# Altium PCB FMC_ADC_250M_16B_4ch.PcbDoc (part 2 of 8) (continued)
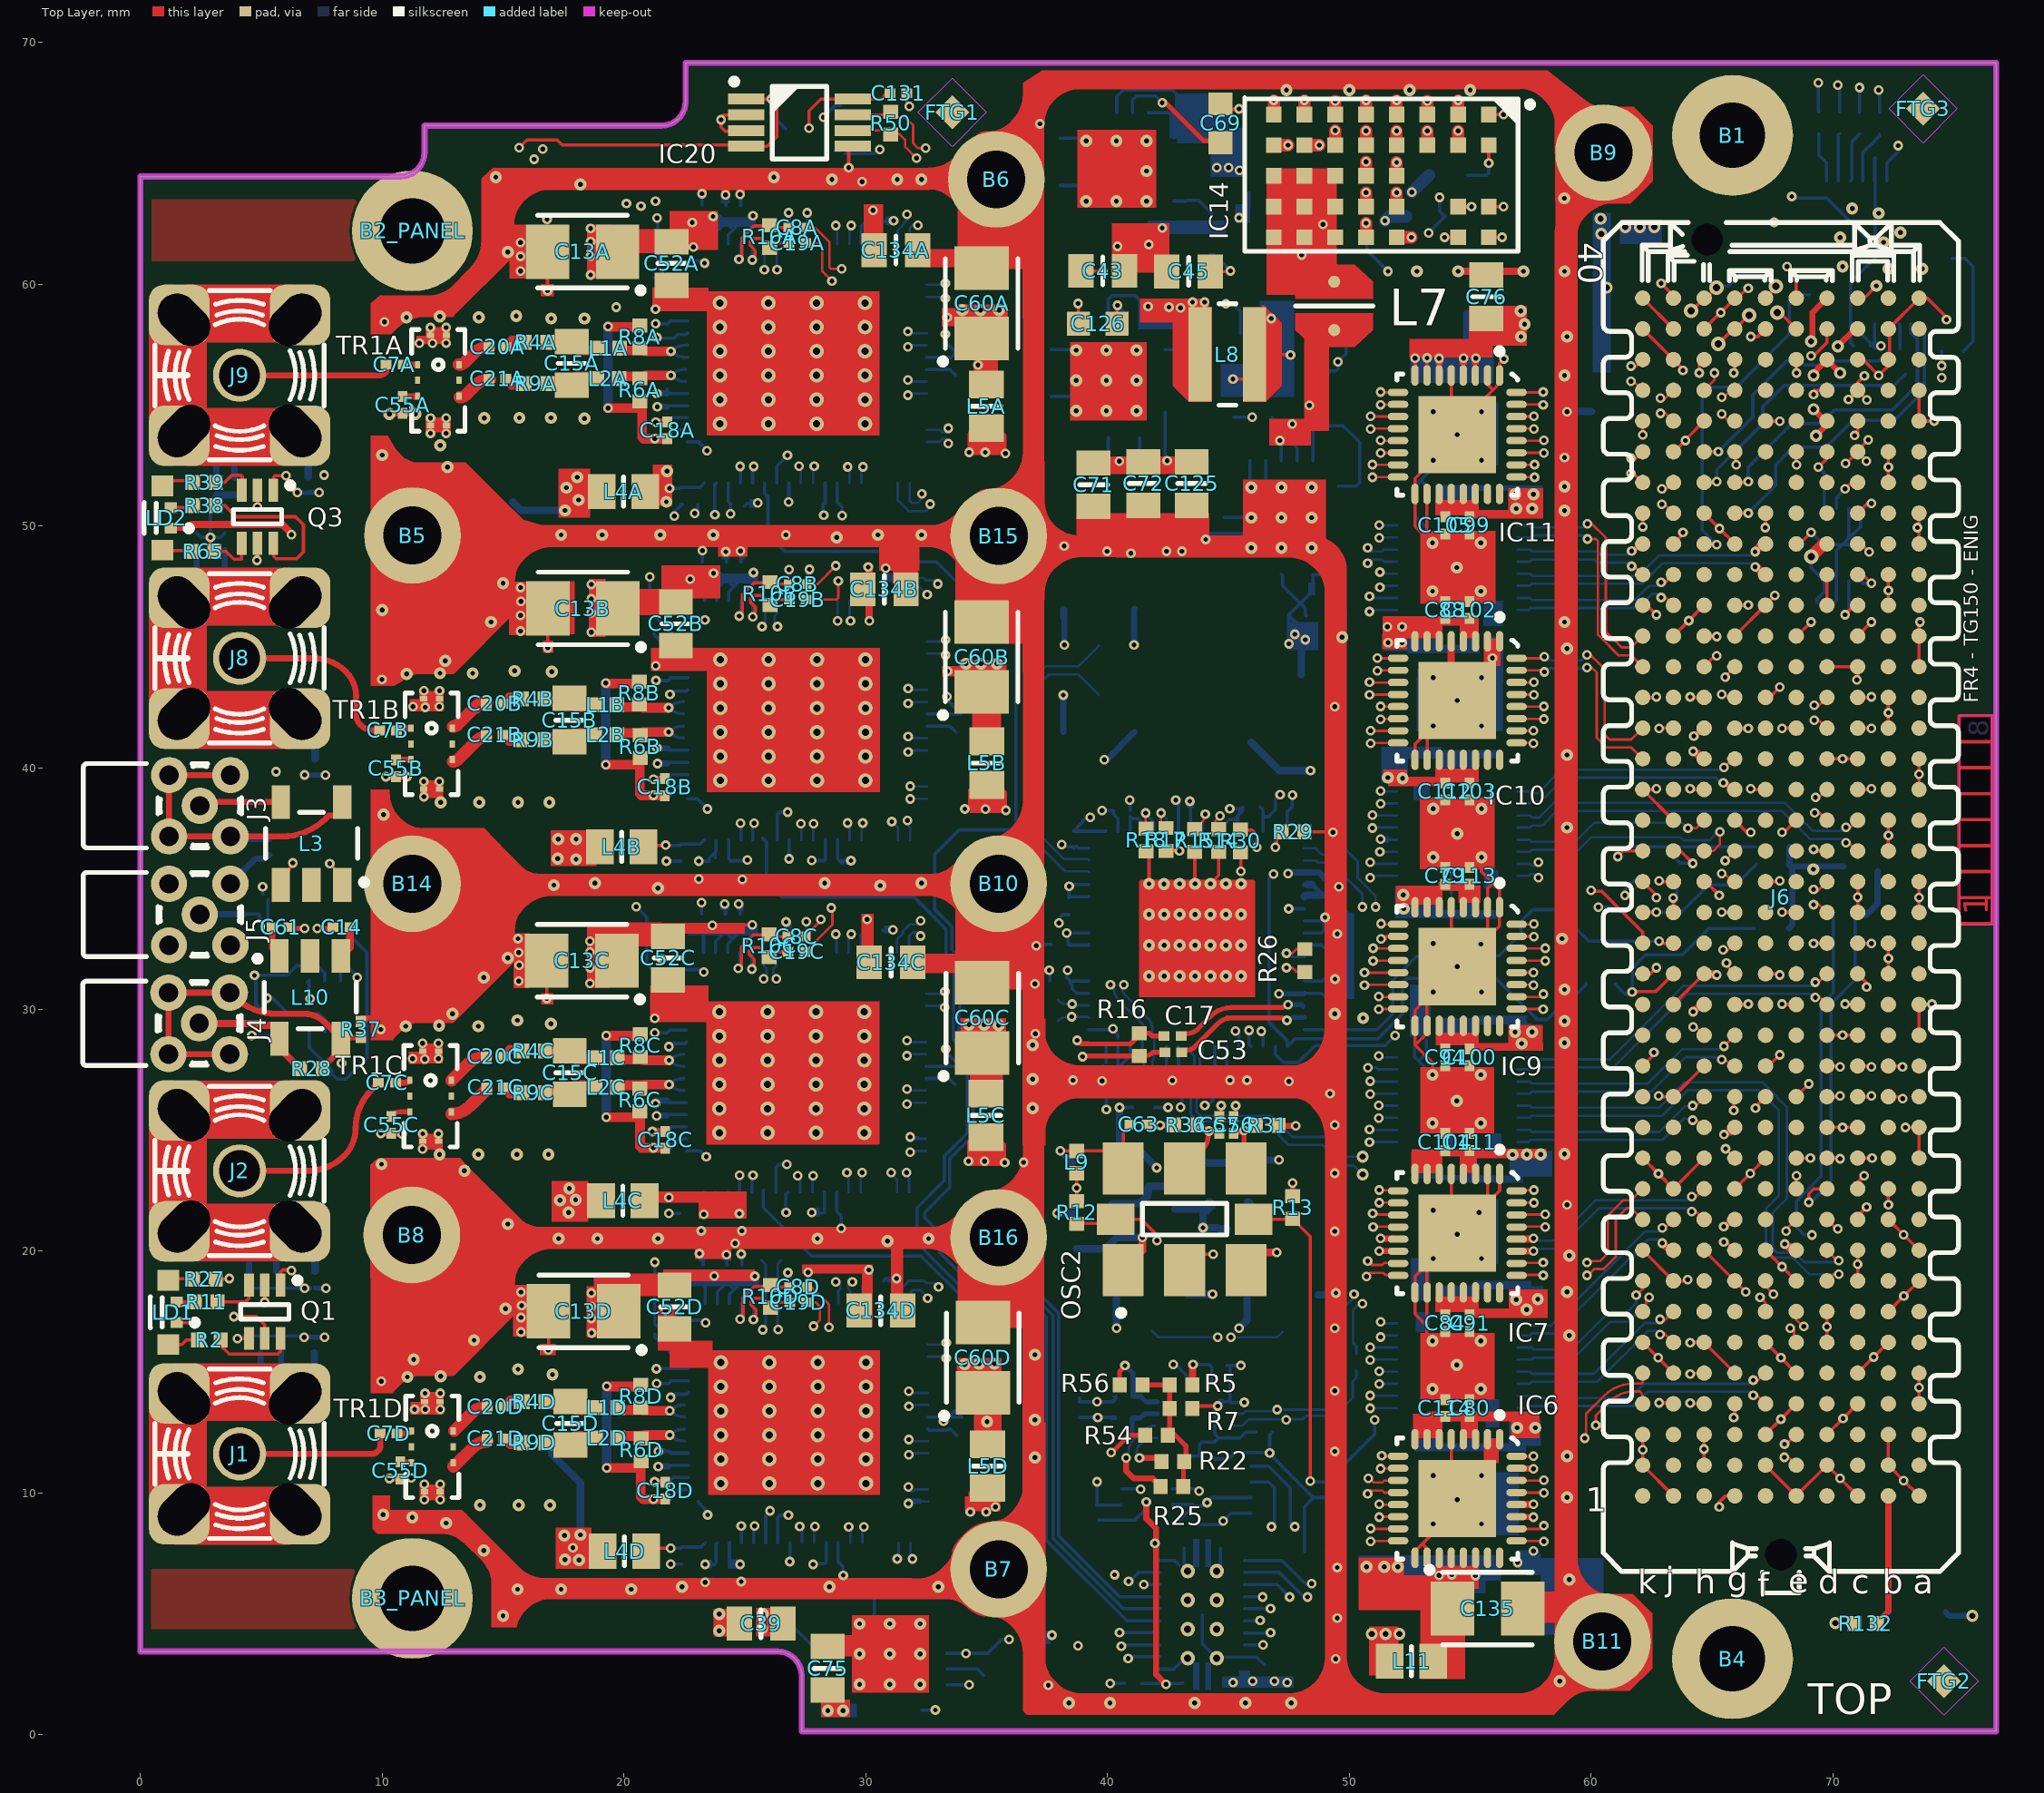
[diagram p0: Top Layer view]
## Part data (continued)
L4A L4B L4C L4D L5A L5B L5C L5D L6 L11: library part IND0805_MURATA_BLM21PG221SN1D, "Inductor", Case=0805, Manufacturer=MURATA, Manufacturer Part Number=BLM21PG221SN1D, Power=2A, Resistance=0.05R, Tolerance=±25%, Author="CERN DEM JLC", ComponentHeight=1.05mm, Component Type=Standard, CreateDate=25/01/2010, HelpURL=\\cern.ch\dfs\Applications\Altium\Datasheets\IND0402_MURATA_BLM21P.pdf, LatestRevisionDate=25/01/2010, Mounted=Yes, Part Description="SMD EMIFIL Suppression Chip Ferrite Bead", Part Number=IND0805_MURATA_BLM21PG221SN1D, Pin Count=2, Sense=No, SMD=Yes, Socket=No, Status=None, Table="Inductors SMD"
L7: library part IND_2.2UH_30%_PANASONIC_ELLVGG2R2N, "Inductor With Core", Manufacturer=PANASONIC, Manufacturer Part Number=ELLVGG2R2N, Power=1.4A, Resistance=0.087R, Tolerance=±30%, Author="LNLS DIG GBMB", ComponentHeight=1.5mm, Component Type=Standard, CreateDate=31/05/2016, HelpURL=\\cern.ch\dfs\Applications\Altium\Datasheets\IND_PANASONIC_ELLVGG.pdf, LatestRevisionDate=31/05/2016, Mounted=Yes, Part Description="Wire Wound SMD Power Inductor, G Series", Part Number=IND_2.2UH_30%_PANASONIC_ELLVGG2R2N, Pin Count=2, Sense=No, SMD=Yes, Socket=No, Status=None
L8: library part IND_1.8UH_30%_TDK_VLCF4020-1, "Inductor", Manufacturer=TDK, Manufacturer Part Number=VLCF4020T-1R8N1R9, Power=1.9A, Resistance=0.046, Tolerance=±30%, Author="LNLS DIG LOS", ComponentHeight=2mm, Component Type=Standard, CreateDate=09/05/2017, LatestRevisionDate=09/05/2017, Mounted=Yes, Part Description="SMD Inductor for Power Circuits (Wound/STD , Magnetic Shielded), VLCF series", Part Number=IND_1.8UH_30%_TDK_VLCF4020-1, Pin Count=2, Sense=No, SMD=Yes, Socket=No, Status=None
L9: library part IND0402_MURATA_BLM15HB221SN1, "Inductor", Case=0402, Manufacturer=MURATA, Manufacturer Part Number=BLM15HB221SN1, Power=250mA, Resistance=1R, Tolerance=±25%, Author="CERN DEM JLC", ComponentHeight=0.55mm, Component Type=Standard, CreateDate=23/06/2009, HelpURL=\\cern.ch\dfs\Applications\Altium\Datasheets\IND0402_MURATA_BLM15H.pdf, LatestRevisionDate=23/06/2009, Mounted=Yes, Part Description="SMD EMIFIL Suppression Chip Ferrite Bead", Part Number=IND0402_MURATA_BLM15HB221SN1, Pin Count=2, Sense=No, SMD=Yes, Socket=No, Status=None, Table="Inductors SMD"
LD1 LD2: library part LED_AVAGO_HSMF-C113, "Tricolor LEDs 1 Cathode Blue, 2 Common Anode, 3 Cathode Red, 4 Cathode Green", Color=Blue/Red/Green, Manufacturer="AVAGO TECHNOLOGIES", Manufacturer Part Number=HSMF-C113, Author="CERN DEM JLC", Bonding=No, ComponentHeight=1mm, Component Type=Standard, CreateDate=29/09/2010, HelpURL=\\cern.ch\dfs\Applications\Altium\Datasheets\LED_AVAGO_HSMF-C113.pdf, LatestRevisionDate=29/09/2010, Mounted=Yes, PackageDescription="Right Angle Tricolor Surface Mount ChipLED, Body 2.5x1mm", Part Description="Right Angle Tricolor (Blue, Red, Green) Surface Mount ChipLED", Part Number=LED_AVAGO_HSMF-C113, Pin Count=4, PressFit=No, Sense=No, SMD=Yes, Socket=No, Table="LEDs & Displays"
OSC2: library part OSC_10-280MHZ_SILICON-LAB_Si571AJC000337DG, "Any-Rate I2C Programmable XO Oscillator Si571 Serie", Manufacturer="SILICON LABS", Manufacturer Part Number=Si571AJC000337DG, Author="CERN DEM JLC", Bonding=No, ComponentHeight=1.85mm, Component Type=Standard, CreateDate=07/07/2014, HelpURL=\\cern.ch\dfs\Applications\Altium\Datasheets\OSC_SILICON-LAB_SI571.pdf, LatestRevisionDate=07/07/2014, Mounted=Yes, PackageDescription="Oscillator Si571 Series, 8 pins, 5x7mm", Part Description="10-280MHz 3.3V ±20ppm LVPECL, I2C Programmable VCXO Oscillator Si571 Series", Part Number=OSC_10-280MHZ_SILICON-LAB_Si571AJC000337DG, Pin Count=8, PressFit=No, Sense=No, SMD=Yes, Socket=No
Q1 Q2 Q3: "Dual N-Channel micro TrenchMOS™ Ultra Low Level FET", Case=SOT363, Manufacturer="NXP SEMICONDUCTORS", Author="CERN DEM JLC", Bonding=No, ComponentHeight=1.1mm, Component Type=Standard, CreateDate=19/11/2014, Device=PMGD280UN, HelpURL=\\cern.ch\dfs\Applications\Altium\Datasheets\PMGD280UN.pdf, LatestRevisionDate=19/11/2014, Manufacturer Part Number=PMGD280UN, Mounted=Yes, PackageDescription="SOT363, SC70-6, SOT, 0.65mm Pitch, 6 pin, 1.25mm W X 2.00mm L X 1.10mm H, IPC Medium Density", Part Description="20V 870mA Dual N-Channel micro TrenchMOS™ Ultra Low Level FET", Part Number=PMGD280UN, Pin Count=6, PressFit=No, Sense=No, SMD=Yes, Socket=No
R1A R1B R1C R1D R5 R7 R44 R55: library part R0402_10K_1%_0.0625W_100PPM, "Resistor - 1%", Case=0402, Manufacturer=GENERIC, Manufacturer1 ComponentHeight=0.4mm, Manufacturer1 Example="YAGEO PHYCOMP", Manufacturer1 Part Number=232270671003L, Power=0.0625W, Tolerance=±1%, Author="CERN DEM JLC", Component Type=Standard, CreateDate=03/12/2007, HelpURL=\\cern.ch\dfs\Applications\Altium\Datasheets\R0402_Phycomp_RC0402.pdf, LatestRevisionDate=17/10/2012, Manufacturer Part Number=R0402_10K_1%_0.0625W_100PPM, Mounted=Yes, Part Description="General Purpose Thick Film Chip Resistor", Part Number=R0402_10K_1%_0.0625W_100PPM, Pin Count=2, Sense=No, SMD=Yes, Socket=No, Status="Not recommended", TC=±100ppm/°C
  R1A R1B R1C R1D: Table="Resistors SMD"
R2 R11 R14 R15 R17 R18 R19 R20 R21 R23 R27 R32 R33 R34 R35 R38 R39 R46 R47: library part R0402_200R_1%_0.0625W_100PPM, "Resistor - 1%", Case=0402, Manufacturer=GENERIC, Manufacturer1 ComponentHeight=0.4mm, Manufacturer1 Example="YAGEO PHYCOMP", Manufacturer1 Part Number=232270672001L, Power=0.0625W, Tolerance=±1%, Author="CERN DEM JLC", Component Type=Standard, CreateDate=03/12/2007, HelpURL=\\cern.ch\dfs\Applications\Altium\Datasheets\R0402_Phycomp_RC0402.pdf, LatestRevisionDate=17/10/2012, Manufacturer Part Number=R0402_200R_1%_0.0625W_100PPM, Mounted=Yes, Part Description="General Purpose Thick Film Chip Resistor", Part Number=R0402_200R_1%_0.0625W_100PPM, Pin Count=2, Sense=No, SMD=Yes, Socket=No, Status="Not recommended", Table="Resistors SMD", TC=±100ppm/°C
R3 R10A R10B R10C R10D R26 R45 R50 R51 R52 R53 R74 R75: library part R0402_100R_1%_0.0625W_100PPM, "Resistor - 1%", Case=0402, Manufacturer=GENERIC, Manufacturer1 ComponentHeight=0.4mm, Manufacturer1 Example="YAGEO PHYCOMP", Manufacturer1 Part Number=232270671001L, Power=0.0625W, Tolerance=±1%, Author="CERN DEM JLC", Component Type=Standard, CreateDate=03/12/2007, HelpURL=\\cern.ch\dfs\Applications\Altium\Datasheets\R0402_Phycomp_RC0402.pdf, LatestRevisionDate=17/10/2012, Manufacturer Part Number=R0402_100R_1%_0.0625W_100PPM, Mounted=Yes, Part Description="General Purpose Thick Film Chip Resistor", Part Number=R0402_100R_1%_0.0625W_100PPM, Pin Count=2, Sense=No, SMD=Yes, Socket=No, Status="Not recommended", TC=±100ppm/°C
  R3 R10A R10B R10C R10D R26 R50 R51 R52 R53: Table="Resistors SMD"
R4A R4B R4C R4D R9A R9B R9C R9D: library part R0402_5R6_1%_0.0625W_200PPM, "Resistor - 1%", Case=0402, Manufacturer=GENERIC, Manufacturer1 ComponentHeight=0.4mm, Manufacturer1 Example="YAGEO PHYCOMP", Manufacturer1 Part Number=232270675608L, Power=0.0625W, Tolerance=±1%, Author="CERN DEM JLC", Component Type=Standard, CreateDate=24/06/2009, HelpURL=\\cern.ch\dfs\Applications\Altium\Datasheets\R0402_Phycomp_RC0402.pdf, LatestRevisionDate=17/10/2012, Manufacturer Part Number=R0402_5R6_1%_0.0625W_200PPM, Mounted=Yes, Part Description="General Purpose Thick Film Chip Resistor", Part Number=R0402_5R6_1%_0.0625W_200PPM, Pin Count=2, Sense=No, SMD=Yes, Socket=No, Status="Not recommended", TC=±200ppm/°C
R6A R6B R6C R6D R8A R8B R8C R8D: library part R0402_27R_1%_0.0625W_100PPM, "Resistor - 1%", Case=0402, Manufacturer=GENERIC, Manufacturer1 ComponentHeight=0.4mm, Manufacturer1 Example="YAGEO PHYCOMP", Manufacturer1 Part Number=232270672709L, Part Number=RC0402FR-0720RL, Power=0.0625W, Tolerance=±1%, Author="CERN DEM JLC", Component Type=Standard, CreateDate=03/12/2007, HelpURL=\\cern.ch\dfs\Applications\Altium\Datasheets\R0402_Phycomp_RC0402.pdf, LatestRevisionDate=17/10/2012, Manufacturer Part Number=R0402_27R_1%_0.0625W_100PPM, Mounted=Yes, Part Description="General Purpose Thick Film Chip Resistor", Pin Count=2, Sense=No, SMD=Yes, Socket=No, Status="Not recommended", Table="Resistors SMD", TC=±100ppm/°C
R12 R13 R22 R25 R54 R56: library part R0402_2K2_1%_0.0625W_100PPM, "Resistor - 1%", Case=0402, Manufacturer=GENERIC, Manufacturer1 ComponentHeight=0.4mm, Manufacturer1 Example="YAGEO PHYCOMP", Manufacturer1 Part Number=232270672202L, Power=0.0625W, Tolerance=±1%, Author="CERN DEM JLC", Component Type=Standard, CreateDate=03/12/2007, HelpURL=\\cern.ch\dfs\Applications\Altium\Datasheets\R0402_Phycomp_RC0402.pdf, LatestRevisionDate=17/10/2012, Manufacturer Part Number=R0402_2K2_1%_0.0625W_100PPM, Mounted=Yes, Part Description="General Purpose Thick Film Chip Resistor", Part Number=R0402_2K2_1%_0.0625W_100PPM, Pin Count=2, Sense=No, SMD=Yes, Socket=No, Status="Not recommended", Table="Resistors SMD", TC=±100ppm/°C
R16 R28: library part R0402_49R9_1%_0.0625W_100PPM, "Resistor - 1%", Case=0402, Manufacturer=GENERIC, Manufacturer1 ComponentHeight=0.4mm, Manufacturer1 Example="YAGEO PHYCOMP", Manufacturer1 Part Number="232270674999L or RC0402FR-0749R9L", Power=0.0625W, Tolerance=±1%, Author="CERN DEM JLC", Component Type=Standard, CreateDate=24/10/2012, HelpURL=\\cern.ch\dfs\Applications\Altium\Datasheets\R0402_Phycomp_RC0402.pdf, LatestRevisionDate=24/10/2012, Manufacturer Part Number=R0402_49R9_1%_0.0625W_100PPM, Mounted=Yes, Part Description="General Purpose Thick Film Chip Resistor", Part Number=R0402_49R9_1%_0.0625W_100PPM, Pin Count=2, Sense=No, SMD=Yes, Socket=No, Status="Not recommended", TC=±100ppm/°C
R24 R37 R41A R41B R41C R41D: library part R0201_0R_JUMPER, "Resistor", Case=0201, Manufacturer=GENERIC, Manufacturer1 ComponentHeight=0.27mm, Manufacturer1 Example=VISHAY, Manufacturer1 Part Number=CRCW02010000Z0ED, Author="CERN DEM JLC", Component Type=Standard, CreateDate=19/11/2014, HelpURL="\\cern.ch\dfs\Applications\Altium\Datasheets\R0201_VISHAY_CRCW e3.pdf", LatestRevisionDate=08/01/2015, Manufacturer Part Number=R0201_0R_JUMPER, Mounted=No, Part Description="1A (0.05R Max DC Resistance) Zero Ohm Jumper", Part Number=R0201_0R_JUMPER, Pin Count=2, Sense=No, SMD=Yes, Socket=No, Status="Not recommended"
R29: library part R0402_5K1_1%_0.0625W_100PPM, "Resistor - 1%", Case=0402, Manufacturer=GENERIC, Manufacturer1 ComponentHeight=0.4mm, Manufacturer1 Example="YAGEO PHYCOMP", Manufacturer1 Part Number=232270675102L, Power=0.0625W, Tolerance=±1%, Author="CERN DEM JLC", Component Type=Standard, CreateDate=03/12/2007, HelpURL=\\cern.ch\dfs\Applications\Altium\Datasheets\R0402_Phycomp_RC0402.pdf, LatestRevisionDate=17/10/2012, Manufacturer Part Number=R0402_5K1_1%_0.0625W_100PPM, Mounted=Yes, Part Description="General Purpose Thick Film Chip Resistor", Part Number=R0402_5K1_1%_0.0625W_100PPM, Pin Count=2, Sense=No, SMD=Yes, Socket=No, Status="Not recommended", TC=±100ppm/°C
R30: library part R0402_4K12_1%_0.0625W_100PPM, "Resistor - 1%", Case=0402, Manufacturer=GENERIC, Manufacturer1 ComponentHeight=0.4mm, Manufacturer1 Example="YAGEO PHYCOMP", Manufacturer1 Part Number="232270674122L or RC0402FR-074K12L", Power=0.0625W, Tolerance=±1%, Author="CERN DEM JLC", Component Type=Standard, CreateDate=24/10/2012, HelpURL=\\cern.ch\dfs\Applications\Altium\Datasheets\R0402_Phycomp_RC0402.pdf, LatestRevisionDate=24/10/2012, Manufacturer Part Number=R0402_4K12_1%_0.0625W_100PPM, Mounted=Yes, Part Description="General Purpose Thick Film Chip Resistor", Part Number=R0402_4K12_1%_0.0625W_100PPM, Pin Count=2, Sense=No, SMD=Yes, Socket=No, Status="Not recommended", TC=±100ppm/°C
R31 R36: library part R0402_200R_5%_0.0625W_100PPM, "Resistor - 5%", Case=0402, Manufacturer=Generic, Manufacturer1 ComponentHeight=Undefined, Tolerance=5%, Author="CERN DEM JLC", ComponentHeight=0.35mm, Component Type=Standard, CreateDate=03/12/2007, HelpURL=Undefined, LatestRevisionDate=13/03/2008, Manufacturer1 Example=Undefined, Manufacturer1 Part Number=Undefined, Manufacturer Part Number=R0402_200R_5%_0.0625W_100PPM, Mounted=Yes, Part Description="Surface Mount", Part Number=R0402_200R_5%_0.0625W_100PPM, Pin Count=2, Sense=No, SMD=Yes, Socket=No, Status=Preferred, TC=±100ppm/°C
R40: library part R0402_1R_1%_0.0625W_200PPM, "Resistor - 1%", Case=0402, Manufacturer=GENERIC, Manufacturer1 ComponentHeight=0.4mm, Manufacturer1 Example="YAGEO PHYCOMP", Manufacturer1 Part Number=232270671008L, Power=0.0625W, Tolerance=±1%, Author="CERN DEM JLC", Component Type=Standard, CreateDate=03/12/2007, HelpURL=\\cern.ch\dfs\Applications\Altium\Datasheets\R0402_Phycomp_RC0402.pdf, LatestRevisionDate=17/10/2012, Manufacturer Part Number=R0402_1R_1%_0.0625W_200PPM, Mounted=Yes, Part Description="General Purpose Thick Film Chip Resistor", Part Number=R0402_1R_1%_0.0625W_200PPM, Pin Count=2, Sense=No, SMD=Yes, Socket=No, Status="Not recommended", Table="Resistors SMD", TC=±200ppm/°C
R42: library part R0603_16K_1%_0.1W_100PPM, "Resistor - 1%", Case=0603, Manufacturer=GENERIC, Manufacturer1 ComponentHeight=0.55mm, Manufacturer1 Example="NIC COMPONENT", Manufacturer1 Part Number=NRC06F1602TRF, Power=0.1W, Tolerance=±1%, Author="CERN DEM JLC", Component Type=Standard, CreateDate=03/12/2007, HelpURL=\\cern.ch\dfs\Applications\Altium\Datasheets\R0603_NIC_NRC.pdf, LatestRevisionDate=13/03/2008, Manufacturer Part Number=R0603_16K_1%_0.1W_100PPM, Mounted=Yes, Part Description="General Purpose Thick Film Chip Resistor", Part Number=R0603_16K_1%_0.1W_100PPM, Pin Count=2, Sense=No, SMD=Yes, Socket=No, Status=Preferred, TC=±100ppm/°C
R43: library part R0603_27K_1%_0.1W_100PPM, "Resistor - 1%", Case=0603, Manufacturer=GENERIC, Manufacturer1 ComponentHeight=0.55mm, Manufacturer1 Example="NIC COMPONENT", Manufacturer1 Part Number=NRC06F2702TRF, Power=0.1W, Tolerance=±1%, Author="CERN DEM JLC", Component Type=Standard, CreateDate=03/12/2007, HelpURL=\\cern.ch\dfs\Applications\Altium\Datasheets\R0603_NIC_NRC.pdf, LatestRevisionDate=13/03/2008, Manufacturer Part Number=R0603_27K_1%_0.1W_100PPM, Mounted=Yes, Part Description="General Purpose Thick Film Chip Resistor", Part Number=R0603_27K_1%_0.1W_100PPM, Pin Count=2, Sense=No, SMD=Yes, Socket=No, Status=Preferred, TC=±100ppm/°C
R48: library part R1210_270R_5%_0.5W_200PPM, "Resistor - 5%", Case=1210, Manufacturer=VISHAY, Manufacturer Part Number=CRCW121049R9FK, Part Number=R1210_49R9_1%_0.33W_100PPM, Power=0.33W, Tolerance=±5%, Author="CERN DEM JLC", ComponentHeight=0.7mm, Component Type=Standard, CreateDate=2011-10-26, HelpURL=\\cern.ch\dfs\Applications\Altium\Datasheets\R1210_PANASONIC_ERJ.pdf, LatestRevisionDate=2011-10-26, Mounted=Yes, Part Description="General Purpose Thick Film Chip Resistor", Pin Count=2, SMD=Yes, Socket=No, Status=None, Table="Resistors SMD", TC=±100ppm/°C
R49 R132: library part R0402_4K7_1%_0.0625W_100PPM, "Resistor - 1%", Case=0402, Manufacturer=GENERIC, Manufacturer1 ComponentHeight=0.4mm, Manufacturer1 Example="YAGEO PHYCOMP", Manufacturer1 Part Number=232270674702L, Power=0.0625W, Tolerance=±1%, Author="CERN DEM JLC", Component Type=Standard, CreateDate=03/12/2007, HelpURL=\\cern.ch\dfs\Applications\Altium\Datasheets\R0402_Phycomp_RC0402.pdf, LatestRevisionDate=17/10/2012, Manufacturer Part Number=R0402_4K7_1%_0.0625W_100PPM, Mounted=Yes, Part Description="General Purpose Thick Film Chip Resistor", Part Number=R0402_4K7_1%_0.0625W_100PPM, Pin Count=2, Sense=No, SMD=Yes, Socket=No, Status="Not recommended", TC=±100ppm/°C
  R49: Table="Resistors SMD"
R64: library part R0603_30K_1%_0.1W_100PPM, "Resistor - 1%", Case=0603, Manufacturer=GENERIC, Manufacturer1 ComponentHeight=0.55mm, Manufacturer1 Example="NIC COMPONENT", Manufacturer1 Part Number=NRC06F3002TRF, Power=0.1W, Tolerance=±1%, Author="CERN DEM JLC", Component Type=Standard, CreateDate=03/12/2007, HelpURL=\\cern.ch\dfs\Applications\Altium\Datasheets\R0603_NIC_NRC.pdf, LatestRevisionDate=13/03/2008, Manufacturer Part Number=R0603_30K_1%_0.1W_100PPM, Mounted=Yes, Part Description="General Purpose Thick Film Chip Resistor", Part Number=R0603_30K_1%_0.1W_100PPM, Pin Count=2, Sense=No, SMD=Yes, Socket=No, Status=Preferred, TC=±100ppm/°C
R65: library part R0402_1K_1%_0.0625W_100PPM, "Resistor - 1%", Case=0402, Manufacturer=GENERIC, Manufacturer1 ComponentHeight=0.4mm, Manufacturer1 Example="YAGEO PHYCOMP", Manufacturer1 Part Number=232270671002L, Power=0.0625W, Tolerance=±1%, Author="CERN DEM JLC", Component Type=Standard, CreateDate=03/12/2007, HelpURL=\\cern.ch\dfs\Applications\Altium\Datasheets\R0402_Phycomp_RC0402.pdf, LatestRevisionDate=17/10/2012, Manufacturer Part Number=R0402_1K_1%_0.0625W_100PPM, Mounted=Yes, Part Description="General Purpose Thick Film Chip Resistor", Part Number=R0402_1K_1%_0.0625W_100PPM, Pin Count=2, Sense=No, SMD=Yes, Socket=No, Status="Not recommended", Table="Resistors SMD", TC=±100ppm/°C
TP1A TP1B TP1C TP1D: library part SMD_PAD_1.20_d_MM, "Test Point", Author="LNLS DIG GBMB", ComponentHeight=0mm, Component Type="Standard (No BOM)", CreateDate=31/05/2016, Family="Test Point", HelpURL=Undefined, LatestRevisionDate=31/05/2016, Mounted=No, PackageDescription="1.20mm diameter SMD Test Point Area", Part Description="1.20mm diameter SMD Test Point Area", Part Number=SMD_PAD_1.20_d_MM, Pin Count=1, Sense=No, SMD=Yes, Socket=No, Status=None
TR1A TR1B TR1C TR1D: library part XFMR_ANAREN_BD0205F5050A00, "70MHz - 1000MHz Ultra Low Profile Sub-Miniature Balanced to Unbalanced Transformer", Manufacturer=ANAREN, Manufacturer Part Number=BD0205F5050A00, Author="CERN DEM JLC", ComponentHeight=2.60.91, Component Type=Standard, CreateDate=03/10/2012, HelpURL=\\cern.ch\dfs\Applications\Altium\Datasheets\XFMR_ANAREN_BD0205F5050A00.pdf, LatestRevisionDate=03/10/2012, Mounted=Yes, Part Description="70MHz - 1000MHz Ultra Low Profile Sub-Miniature Balanced to Unbalanced Transformer", Part Number=XFMR_ANAREN_BD0205F5050A00, Pin Count=10, Sense=No, SMD=Yes, Socket=No, Status=None, Table=Transformers

## Free pads (board coordinates)
  oval 1.6x2.4 on Mech5 rot 45: 3(1.8,13.65) 3(1.8,25.35) 3(1.8,46.55) 3(1.8,58.25) 3(6.4,9.05) 3(6.4,20.75) 3(6.4,41.95) 3(6.4,53.625)
  oval 1.6x2.4 on Mech5 rot 135: 3(2.1,9.325) 3(2.1,21.025) 3(2.1,42.225) 3(2.1,53.925) 3(6.675,58.525) 3(6.7,13.925) 3(6.7,25.625) 3(6.7,46.825)

## Via types
v1: diameter 0.4, hole 0.2, Top Layer to Bottom Layer, tented both sides, 961 vias
v2: diameter 0.5, hole 0.2, Top Layer to Bottom Layer, tented both sides, 314 vias
v3: diameter 0.4, hole 0.2, Top Layer to Bottom Layer, 33 vias
v4: diameter 0.5, hole 0.25, Top Layer to Bottom Layer, tented both sides, 19 vias
v5: diameter 0.6, hole 0.3, Top Layer to Bottom Layer, tented both sides, 7 vias

## Nets (pads, with @x,y where several pads share a name; then routed paths per layer and width w, separated by ;. In a path a pad name is that pad's centre, name@x,y a point inside that pad or via, vN(x,y) a via of type N, cw(c..) or ccw(c..) an arc to the next point about the centre after c; other vN are vias at no path point)
3P3VAUX: C55.2 IC22.8 J6.d32 | length 3.1
  Top Layer w0.508: v5(69.106,48.725) 69.636,49.255 J6.d32@69.761,49.255
  Bottom Layer w0.135: v5(69.106,48.725) 69.106,48.275 IC22.8@69.656,47.725 69.656,47.275 69.356,46.975 C55.2@69.356,46.825
ADC1_CLK_N: C19D.1 IC2.34 R20.1 | length 38.5
  Top Layer w0.102: C19D.1@27.565,17.883 27.943,17.883 28.107,17.72 28.107,17.153 28.009,17.055
  L5 w0.102: v1(27.853,16.907) 27.955,16.907 28.285,17.237 29.102,17.237 cw(c29.615,17.103) 30.144,17.128 ; 30.144,17.123 ccw(c30.445,17.123) 30.746,17.123 cw(c31.275,17.123) 31.805,17.123 ccw(c32.106,17.123) 32.406,17.123 cw(c32.936,17.123) 33.465,17.123 ccw(c33.766,17.123) 34.067,17.123 cw(c34.596,17.123) 35.126,17.123 ccw(c35.426,17.123) 35.727,17.123 35.727,17.5 cw(c35.878,17.5) 35.771,17.606 cw(c36.368,17.009) 36.368,17.854 38.817,17.854 ccw(c38.817,18.908) 39.562,18.162 ; v1@38.571,29.7 cw(c39.287,28.984) 38.572,29.701 cw(c39.287,28.984) 39.285,29.996 cw(c39.287,28.984) 39.287,29.996 40.291,29.996 cw(c40.291,29.241) 40.825,29.775 cw(c40.342,29.292) 41.025,29.292 41.025,26.776 ccw(c41.554,26.776) 41.554,26.247 41.595,26.247 cw(c41.595,25.946) 41.896,25.946 cw(c41.595,25.946) 41.595,25.645 40.825,25.645 ccw(c40.825,25.116) 40.825,24.586 41.693,24.586 cw(c41.693,24.285) 41.994,24.285 cw(c41.693,24.285) 41.693,23.985 40.585,23.985 ccw(c40.585,23.455) 40.585,22.926 40.724,22.926 cw(c40.724,22.625) 41.025,22.625 41.025,22.396 cw(c38.485,22.396) 40.281,20.6 ccw(c40.899,19.981) 40.025,19.981 40.025,19.191 cw(c38.659,19.191) 39.625,18.225 39.563,18.163
  Bottom Layer w0.102: R20.1@37.941,29.521 cw(c38.374,29.087) 38.286,29.694 cw(c38.374,29.087) 38.374,29.7 v1(38.525,29.7) 39.16,29.7 cw(c39.16,29.583) IC2.34@39.242,29.666
ADC1_CLK_P: C8D.1 IC2.35 R19.1 | length 39.4
  Top Layer w0.102: C8D.1@27.565,18.518 27.766,18.518 28.07,18.214 28.08,18.214 28.437,17.857 28.437,17.847 28.488,17.796 v1(28.488,16.856)
  L5 w0.102: v1(28.488,16.856) 28.488,16.831 28.717,16.831 28.894,17.009 29.2,17.009 ccw(c29.2,17.123) 29.314,17.118 cw(c29.615,17.103) 29.916,17.12 ccw(c30.445,17.123) 30.975,17.123 cw(c31.275,17.123) 31.576,17.123 ccw(c32.106,17.123) 32.635,17.123 cw(c32.936,17.123) 33.237,17.123 ccw(c33.766,17.123) 34.295,17.123 cw(c34.596,17.123) 34.897,17.123 ccw(c35.426,17.123) 35.943,17.009 35.943,17.016 35.956,17.028 35.956,17.468 cw(c36.336,17.087) 36.336,17.625 38.911,17.625 ccw(c38.911,18.68) 39.657,17.934 39.787,18.064 ccw(c38.659,19.191) 40.254,19.191 40.254,19.981 cw(c40.899,19.981) 40.443,20.438 ccw(c38.485,22.396) 41.254,22.396 41.254,22.625 ccw(c40.724,22.625) 40.724,23.154 40.585,23.154 cw(c40.585,23.455) 40.585,23.756 41.693,23.756 ccw(c41.693,24.285) 42.223,24.285 ccw(c41.693,24.285) 41.693,24.815 40.825,24.815 cw(c40.825,25.116) 40.825,25.416 41.595,25.416 ccw(c41.595,25.946) 42.124,25.946 ccw(c41.595,25.946) 41.595,26.475 41.554,26.475 cw(c41.554,26.776) 41.254,26.776 41.254,29.292 ccw(c40.342,29.292) 40.987,29.937 ccw(c40.291,29.24) 40.291,30.225 v1(38.542,30.225)
  Bottom Layer w0.102: R19.1@37.964,30.38 ccw(c38.338,30.754) 38.286,30.228 ccw(c38.338,30.754) 38.338,30.225 v1(38.542,30.225) ccw(c38.685,30.368) 38.685,30.166 IC2.35@39.242,30.166
ADC2_CLK_N: C19C.1 IC2.28 R23.1 | length 38.3
  Top Layer w0.102: C19C.1@27.495,32.383 27.778,32.666 27.783,32.666 28.629,33.512 28.629,33.809 28.629,34.146 v1(28.575,34.2)
  L5 w0.102: v1(28.575,34.2) 29.521,34.2 ccw(c29.521,34.456) 29.702,34.275 29.811,34.385 cw(c30.25,33.946) 30.25,34.566 31.972,34.566 cw(c31.972,32.672) 33.312,34.012 33.554,33.769 ccw(c35.35,35.565) 35.35,33.025 35.678,33.025 ccw(c35.678,34.647) 36.825,33.5 37.028,33.703 ccw(c36.252,34.48) 37.35,34.48 37.35,37.995 cw(c38.505,37.995) 37.688,38.812 cw(c38.695,37.805) 38.695,39.229 39.446,39.229 cw(c39.446,38.146) 40.212,38.912 cw(c39.507,38.207) 40.504,38.207 40.504,37.75 ccw(c40.68,37.75) 40.68,37.574 41.058,37.574 cw(c41.058,37.169) 41.462,37.169 41.462,36.92 cw(c41.058,36.92) 41.058,36.515 39.721,36.515 ccw(c39.721,36.339) 39.545,36.339 39.545,36.09 ccw(c39.721,36.09) 39.721,35.914 40.876,35.914 cw(c40.876,35.509) 41.281,35.509 41.281,35.26 cw(c40.876,35.26) 40.876,34.855 39.721,34.855 ccw(c39.721,34.679) 39.545,34.679 39.545,34.43 ccw(c39.721,34.43) 39.721,34.253 40.099,34.253 cw(c40.099,33.849) 40.504,33.849 40.504,31.172 ccw(c40.747,31.172) v1@40.575,31
  Bottom Layer w0.102: v1@40.575,31 ccw(c41.198,31) 40.757,30.56 41.674,29.643 cw(c41.23,29.2) 41.857,29.2 41.857,29.04 cw(c41.652,28.835) 41.942,28.835 IC2.28@41.942,28.466 41.942,28.1 cw(c41.652,28.1) 41.857,27.895 41.857,27.328 cw(c41.619,27.09) 41.956,27.09 R23.1@41.956,26.868
  other v1: 40.675,31.025
ADC2_CLK_P: C8C.1 IC2.29 R21.1 | length 37.4
  Top Layer w0.102: C8C.1@27.495,33.018 v1@28.091,33.615
  L5 w0.102: v1@28.056,33.628 v1@28.109,33.575 ; v1(28.149,33.725) 28.186,33.688 ccw(c28.725,34.227) 28.725,33.465 ccw(c28.725,34.647) 29.561,33.811 29.973,34.223 cw(c30.25,33.946) 30.25,34.338 31.972,34.338 cw(c31.972,32.672) 33.15,33.85 33.393,33.607 ccw(c35.35,35.565) 35.35,32.796 35.678,32.796 ccw(c35.678,34.647) 36.987,33.338 37.19,33.542 ccw(c36.252,34.48) 37.579,34.48 37.579,37.995 cw(c38.505,37.995) 37.85,38.65 cw(c38.695,37.805) 38.695,39 39.446,39 cw(c39.446,38.146) 40.05,38.75 cw(c39.507,38.207) 40.275,38.207 40.275,37.75 ccw(c40.68,37.75) 40.68,37.346 41.058,37.346 cw(c41.058,37.169) 41.234,37.169 41.234,36.92 cw(c41.058,36.92) 41.058,36.744 39.721,36.744 ccw(c39.721,36.339) 39.316,36.339 39.316,36.09 ccw(c39.721,36.09) 39.721,35.685 40.876,35.685 cw(c40.876,35.509) 41.052,35.509 41.052,35.26 cw(c40.876,35.26) 40.876,35.084 39.721,35.084 ccw(c39.721,34.679) 39.316,34.679 39.316,34.43 ccw(c39.721,34.43) 39.721,34.025 40.099,34.025 cw(c40.099,33.849) 40.275,33.849 40.275,31.35 cw(c39.853,31.35) 40.151,31.051 v1(40.125,31.025)
  Bottom Layer w0.102: v1@40.245,31 ccw(c41.198,31) 40.524,30.326 41.44,29.41 cw(c41.23,29.2) 41.527,29.2 41.527,29.04 ccw(c41.732,28.835) 41.442,28.835 IC2.29@41.442,28.466 41.442,28.1 ccw(c41.732,28.1) 41.527,27.895 41.527,27.5 cw(c41.173,27.5) 41.424,27.25 R21.1@41.042,26.868
ADC3_CLK_N: C19B.1 IC2.53 R18.1 | length 39.2
  Top Layer w0.102: C19B.1@27.538,46.95 28.8,46.95 28.875,47.025 28.867,47.033 v1(28.867,47.719) v1@28.833,47.753 ; v1(41.583,38.127) 41.583,37.485 41.599,37.469 R18.1@41.609,37.459
  L5 w0.102: v1(28.867,47.719) 28.973,47.825 29.406,47.825 cw(c29.406,47.64) 29.537,47.771 30.366,46.942 ccw(c31.606,48.182) 31.606,46.428 39.925,46.428 40.06,46.428 cw(c40.06,46.403) 40.086,46.403 ccw(c40.39,46.403) 40.39,46.098 ccw(c40.39,46.403) 40.695,46.403 cw(c40.72,46.403) 40.72,46.428 41,46.428 41.507,46.428 cw(c41.507,46.332) 41.575,46.4 41.671,46.304 cw(c41.391,46.025) 41.786,46.025 41.786,45.725 41.786,45.639 41.786,45.09 cw(c41.725,45.09) 41.725,45.029 41.499,45.029 ccw(c41.499,44.968) 41.438,44.968 41.438,44.48 ccw(c41.499,44.48) 41.499,44.419 41.725,44.419 cw(c41.725,44.359) 41.786,44.359 41.786,44.115 cw(c41.527,44.115) 41.527,43.855 40.774,43.855 ccw(c40.774,43.368) 40.286,43.368 40.286,43.284 ccw(c40.774,43.284) 40.774,42.797 43.027,42.797 cw(c43.027,42.537) 43.286,42.537 43.286,42.454 cw(c43.027,42.454) 43.027,42.195 40.774,42.195 ccw(c40.774,41.707) 40.286,41.707 40.286,41.624 ccw(c40.774,41.624) 40.774,41.136 43.027,41.136 cw(c43.027,40.877) 43.286,40.877 43.286,40.794 cw(c43.027,40.794) 43.027,40.535 40.774,40.535 ccw(c40.774,40.047) 40.286,40.047 40.286,39.964 ccw(c40.774,39.964) 40.774,39.476 41.527,39.476 cw(c41.527,39.217) 41.786,39.217 41.786,38.618 cw(c41.093,38.618) v1(41.583,38.127)
  Bottom Layer w0.102: v1@41.675,37.992 41.942,37.725 IC2.53@41.942,37.366
ADC3_CLK_P: C8B.1 IC2.54 R17.1 | length 38.1
  Top Layer w0.102: C8B.1@27.538,47.585 28,47.585 v1(28.767,48.352) ; v1(42.218,38.127) 42.218,37.708 42.245,37.681 R17.1@42.245,37.661
  L5 w0.102: v1(28.767,48.352) 29.067,48.054 29.406,48.054 cw(c29.406,47.64) 29.699,47.932 30.528,47.104 ccw(c31.606,48.182) 31.606,46.657 41.507,46.657 cw(c41.507,46.332) 41.737,46.562 41.832,46.466 cw(c41.391,46.025) 42.015,46.025 42.015,44.115 cw(c41.527,44.115) 41.527,43.627 40.774,43.627 ccw(c40.774,43.368) 40.515,43.368 40.515,43.284 ccw(c40.774,43.284) 40.774,43.025 43.027,43.025 cw(c43.027,42.537) 43.515,42.537 43.515,42.454 cw(c43.027,42.454) 43.027,41.966 40.774,41.966 ccw(c40.774,41.707) 40.515,41.707 40.515,41.624 ccw(c40.774,41.624) 40.774,41.365 43.027,41.365 cw(c43.027,40.877) 43.515,40.877 43.515,40.794 cw(c43.027,40.794) 43.027,40.306 40.774,40.306 ccw(c40.774,40.047) 40.515,40.047 40.515,39.964 ccw(c40.774,39.964) 40.774,39.704 41.527,39.704 cw(c41.527,39.217) 42.015,39.217 42.015,38.618 ccw(c42.709,38.618) v1(42.218,38.127)
  Bottom Layer w0.102: v1(42.218,38.127) 42.442,37.903 IC2.54@42.442,37.366
ADC4_CLK_N: C19A.1 IC2.57 R15.1 | length 37.9
  Top Layer w0.102: C19A.1@27.523,61.704 28.06,61.704 28.206,61.558 28.206,60.525 v1(28.606,60.125) ; R15.1@43.615,37.454 43.912,37.751 ccw(c43.587,38.076) v1(44.047,38.076)
  L5 w0.102: v1(28.606,60.125) 28.729,60.247 29.161,60.247 29.212,60.196 30.575,60.196 cw(c30.575,57.95) 32.163,59.538 cw(c31.661,59.036) 32.371,59.036 32.371,54.325 ccw(c35.075,54.325) 33.163,52.413 ccw(c34.592,53.842) 34.592,51.821 37.73,51.821 cw(c37.73,50.98) 38.325,51.575 cw(c36.937,50.187) 38.9,50.187 38.9,49.375 ccw(c40.525,49.375) 39.22,48.407 ccw(c40.525,49.375) 39.376,48.226 39.993,47.608 ccw(c41.1,48.715) 41.1,47.15 41.77,47.15 cw(c41.77,44.845) 43.4,46.475 43.494,46.381 cw(c41.698,44.585) 44.238,44.585 44.237,43.46 ccw(c44.577,43.46) 44.577,43.121 cw(c44.577,42.96) 44.737,42.96 44.737,41.679 cw(c44.577,41.679) 44.577,41.519 ccw(c44.577,41.179) 44.237,41.179 44.238,38.536 cw(c43.587,38.536) v1(44.047,38.076)
  Bottom Layer w0.102: IC2.57@43.942,37.366 43.942,37.707 cw(c44.3,37.707) 44.047,37.96 v1(44.047,38.076)
ADC4_CLK_P: C8A.1 IC2.58 R14.1 | length 38.2
  Top Layer w0.102: C8A.1@27.523,62.339 27.892,62.339 28.506,61.725 28.506,60.692 28.573,60.625 v1(29.006,60.625) ; R14.1@44.606,37.454 cw(c44.922,37.77) 44.475,37.77 44.475,37.775 cw(c44.58,37.775) 44.506,37.849 v1(44.657,38)
  L5 w0.102: v1(29.006,60.625) 29.106,60.625 29.306,60.425 30.62,60.425 cw(c30.62,58.058) 32.293,59.732 32.325,59.7 cw(c31.661,59.036) 32.6,59.036 32.6,54.325 ccw(c35.075,54.325) 33.325,52.575 ccw(c34.592,53.842) 34.592,52.05 37.73,52.05 cw(c37.73,50.98) 38.487,51.737 cw(c36.937,50.187) 39.129,50.187 39.129,49.375 ccw(c40.525,49.375) 39.405,48.541 ccw(c40.525,49.375) 39.538,48.387 40.155,47.77 ; 40.156,47.769 ccw(c41.1,48.715) 41.1,47.379 41.77,47.379 cw(c41.77,44.845) 43.562,46.637 43.655,46.543 cw(c41.698,44.585) 44.466,44.585 44.466,43.46 ccw(c44.577,43.46) 44.577,43.349 cw(c44.577,42.96) 44.966,42.96 44.966,41.679 cw(c44.577,41.679) 44.577,41.29 ccw(c44.577,41.179) 44.466,41.179 44.466,38.46 ccw(c45.117,38.46) v1(44.657,38)
  Bottom Layer w0.102: IC2.58@44.442,37.366 44.442,37.482 cw(c45.174,37.482) v1(44.657,38)
ADC_BUF_CSB0: IC1D.67 IC18.5 | length 21.8
  Top Layer w0.135: v1(26.043,9.269) v1@26.05,9.262
  L3 w0.127: v1(26.043,9.269) 26.043,6.999 27.946,5.096 33.407,5.096 35.287,3.216 39.537,3.216 40.163,3.842 40.163,3.846 40.406,4.089 40.41,4.089 40.502,4.182 v1(40.502,4.232)
  Bottom Layer w0.135: IC1D.67@25.867,7.95 25.867,9.093 v1(26.043,9.269) ; v1(40.502,4.232) 42.077,4.232 IC18.5@42.102,4.207
ADC_BUF_CSB1: IC1C.67 IC18.6 | length 29.6
  Bottom Layer w0.135: IC1C.67@25.77,22.52 25.77,21.809 27.777,19.803 32.297,19.803 34.165,17.935 36.825,17.935 37.475,17.284 37.475,8.05 40.806,4.719 IC18.6@42.181,4.719
ADC_BUF_CSB2: IC1B.67 IC18.7 | length 46
  Bottom Layer w0.135: IC1B.67@25.745,37.075 25.897,36.922 25.897,35.297 26.544,34.65 32,34.65 33.331,33.319 33.331,32.158 33.646,31.843 33.646,30.126 33.638,30.118 33.638,29.665 33.62,29.646 33.62,28.765 34.209,28.175 34.209,24.89 33.244,23.925 33.244,22.916 32.125,21.797 32.125,20.35 34.304,18.171 36.923,18.171 37.75,17.344 37.75,8.123 40.654,5.219 IC18.7@42.181,5.219
ADC_BUF_CSB3: IC1A.67 IC18.8 | length 64.4
  Bottom Layer w0.135: IC1A.67@25.825,51.771 25.825,51.338 25.961,51.202 25.961,49.634 26.659,48.936 31.714,48.936 32.146,48.505 32.927,48.505 36.218,45.213 36.218,37.667 35.981,37.43 33.869,37.43 32.85,36.411 32.85,34.15 33.567,33.433 33.567,32.47 33.883,32.154 33.883,30.028 33.874,30.02 33.874,29.567 33.856,29.549 33.856,28.869 34.446,28.279 34.446,24.792 33.481,23.827 33.481,22.631 32.45,21.6 32.45,21.375 33.05,20.775 33.05,19.965 34.608,18.407 37.02,18.407 37.986,17.441 37.986,8.221 40.489,5.719 IC18.8@42.181,5.719
ADC_BUF_DATA0.CLKOUT_N: IC5.31 J6.f5 | length 10.8
  Top Layer w0.102: v1(66.715,14.669) 66.814,14.57 66.826,14.57 J6.f5@67.221,14.965
  Bottom Layer w0.102: IC5.31@56.971,14.021 57.475,14.021 57.56,13.936 61.617,13.936 62.201,14.519 66.566,14.519 v1(66.715,14.669)
ADC_BUF_DATA0.CLKOUT_P: IC5.32 J6.f4 | length 10.8
  Top Layer w0.102: v1(66.715,14.04) 66.762,14.087 66.829,14.087 J6.f4@67.221,13.695
  Bottom Layer w0.102: IC5.32@56.971,13.521 57.424,13.521 57.509,13.605 61.754,13.605 62.338,14.189 66.566,14.189 v1(66.715,14.04)